# Altium PCB QuadroRiser.PcbDoc (part 1 of 3)
Units mil, origin at the board's own origin, x right, y up, seen from the top; angles counter-clockwise.
Board outline 3704.72 x 1651.89 mil, 4 copper layers (Top Layer, Power Plane, Ground Plane, Bottom Layer), stack 61.634 mil thick; 2 components, 91 nets, 330 pads, 57 vias.
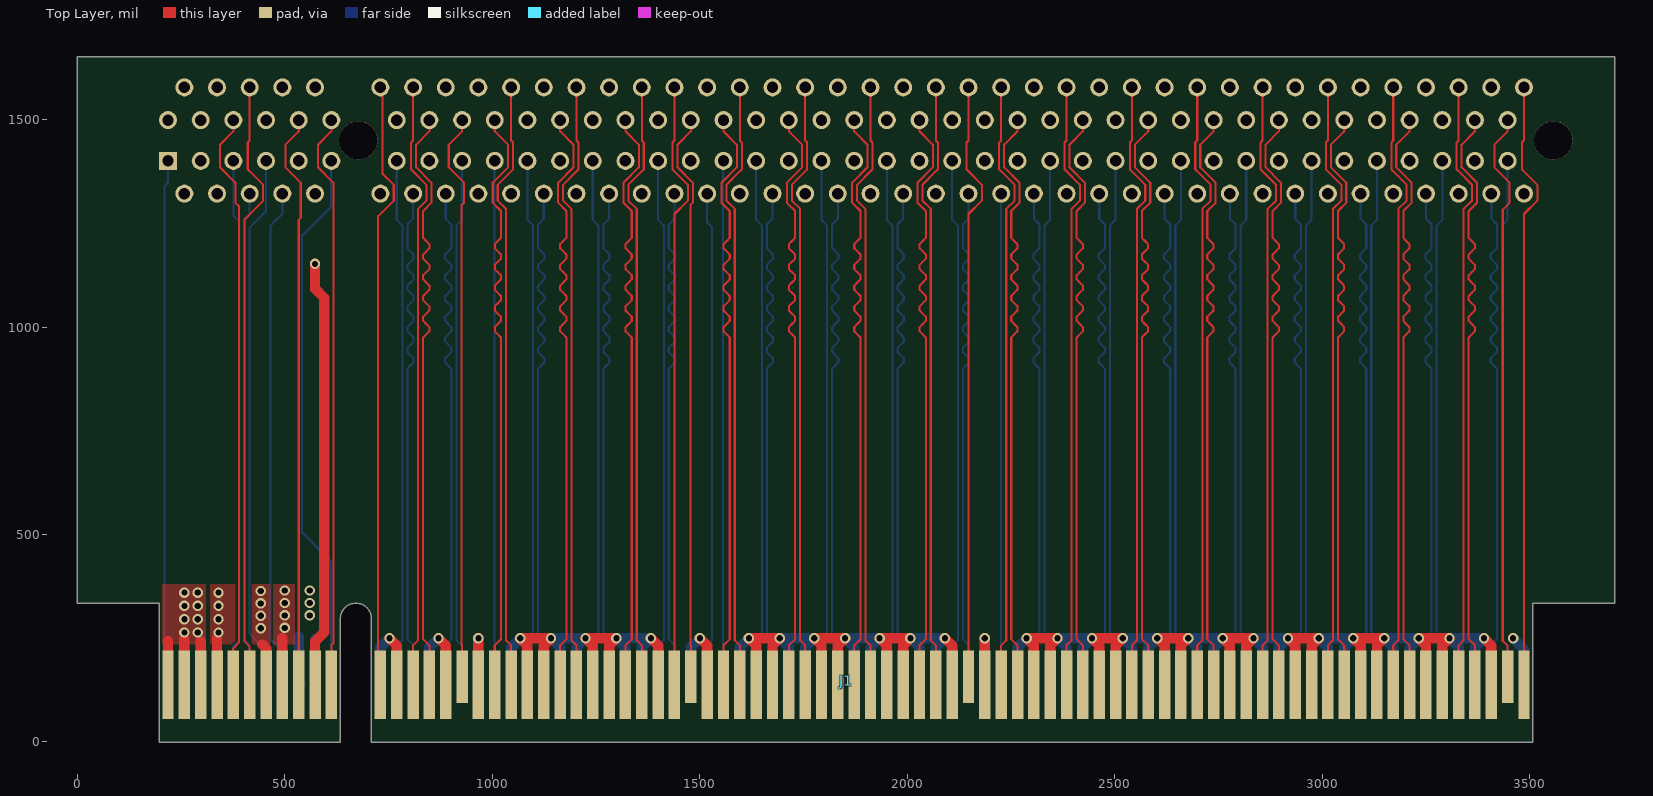
[diagram p0: Top Layer view]
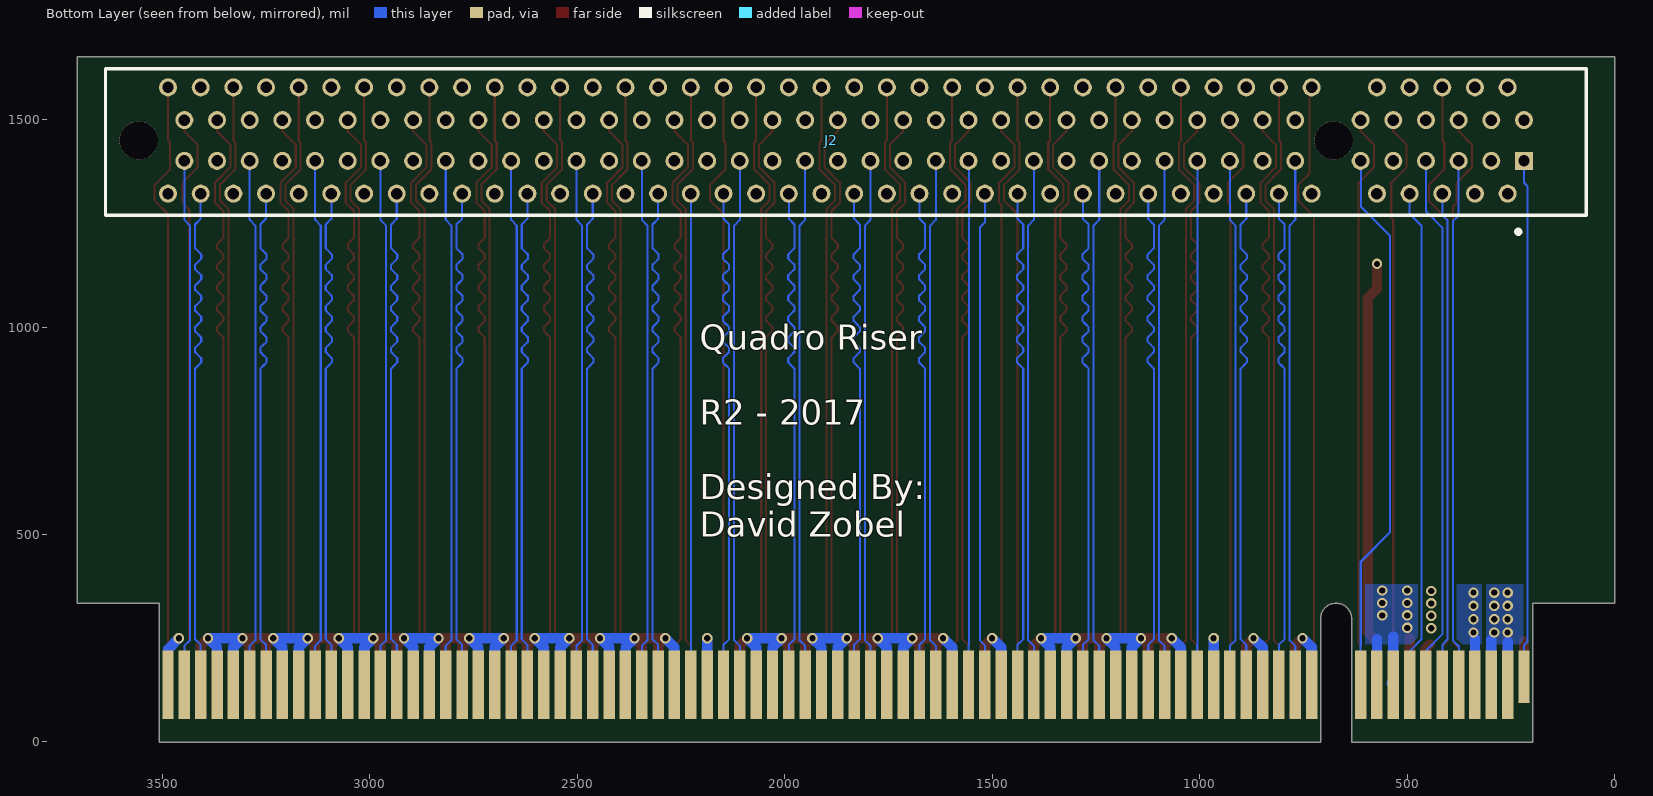
[diagram p1: Bottom Layer view, seen from below]
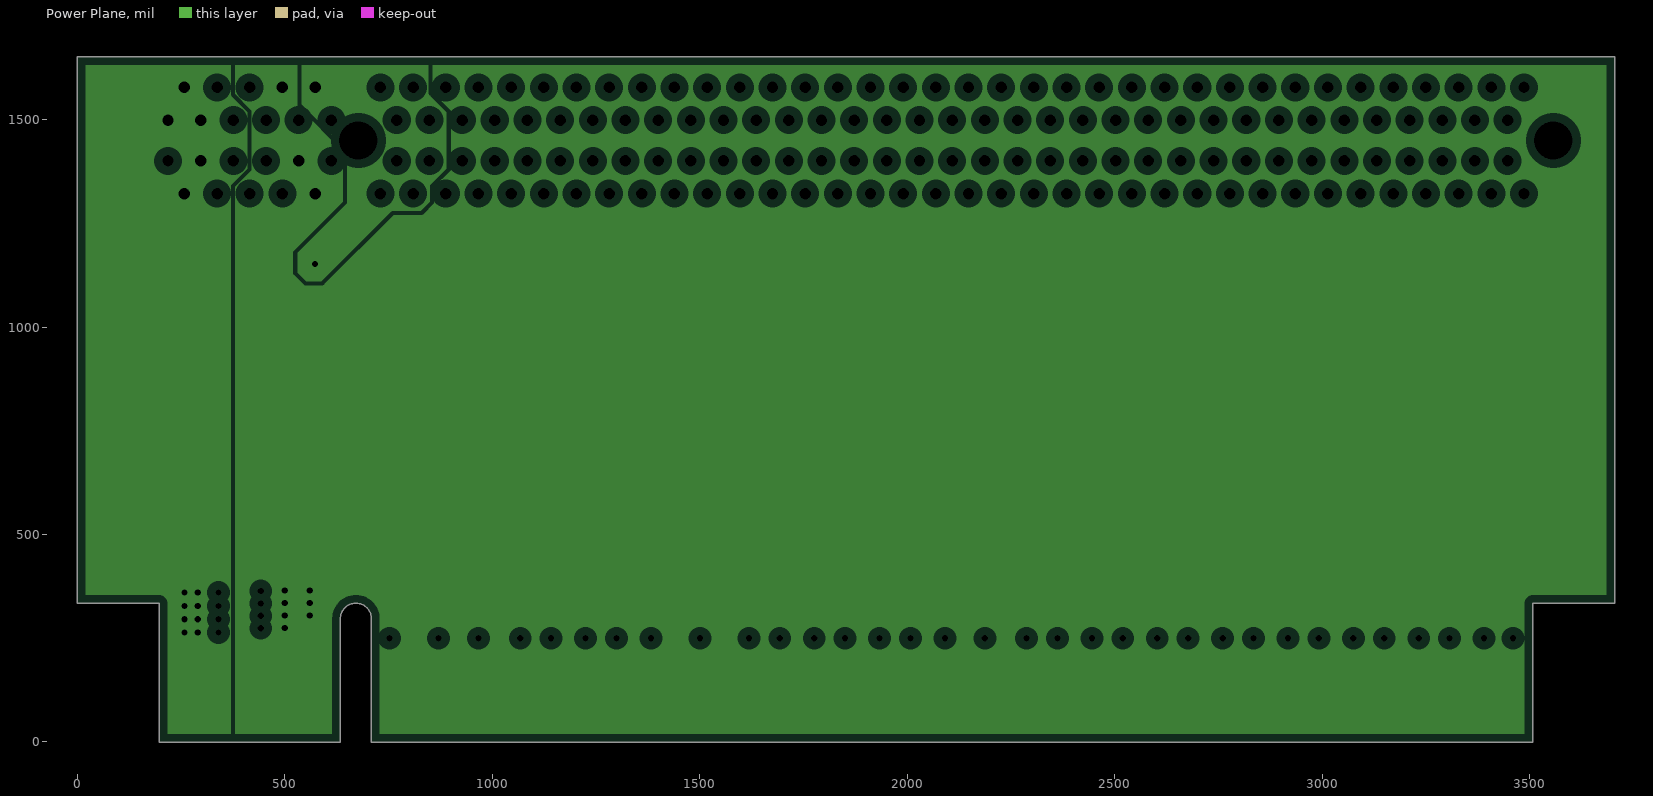
[diagram p2: Power Plane, clearances drawn from the general rule]
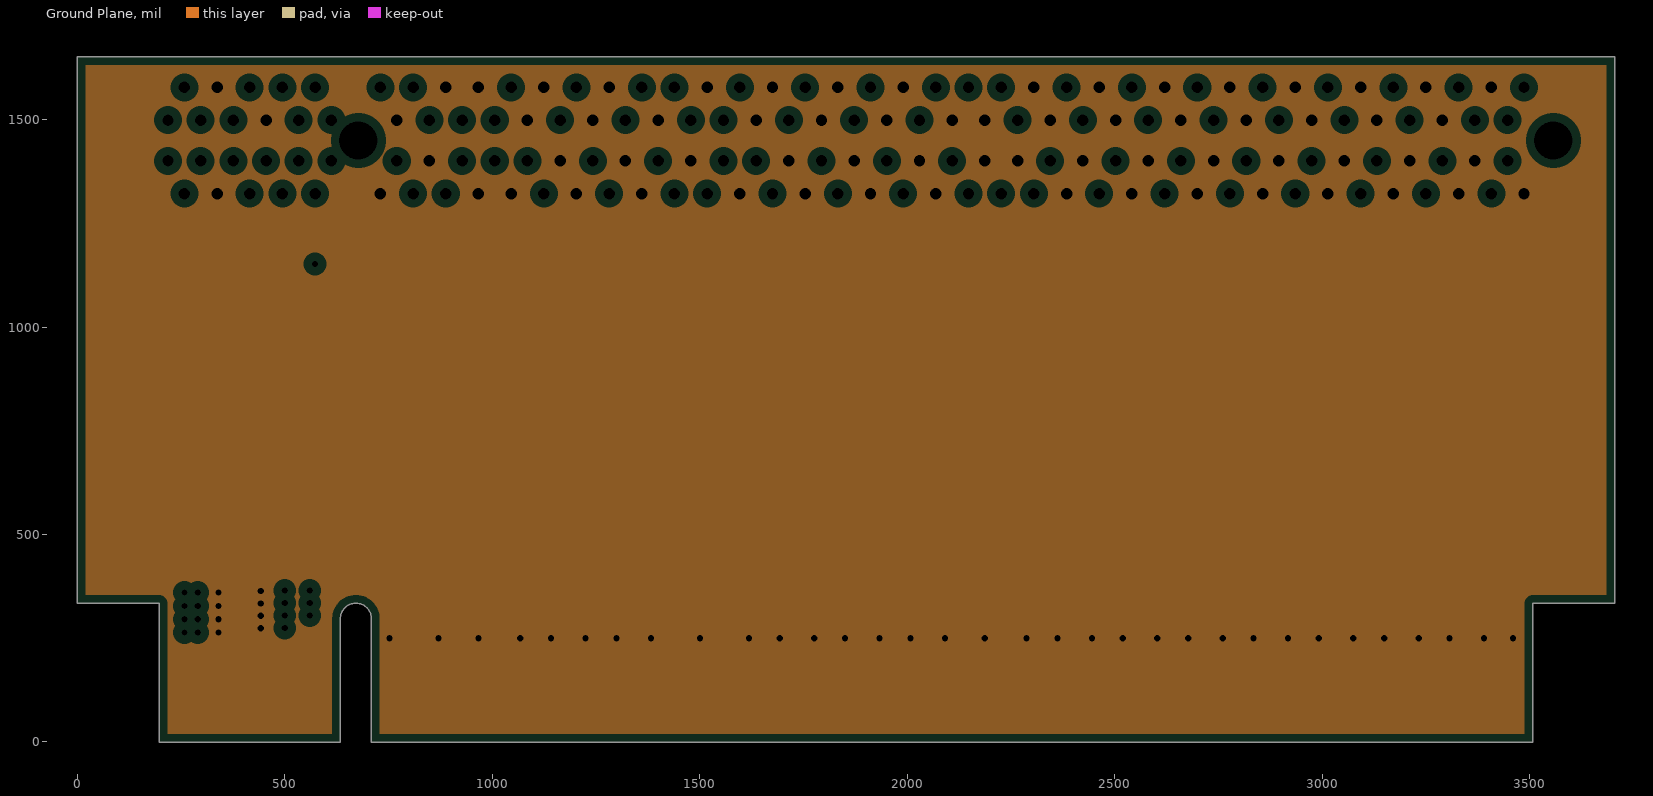
[diagram p3: Ground Plane, clearances drawn from the general rule]

## Layer stack, top to bottom
Top Solder: solder mask 0.4, Solder Resist, Dk 3.5
Top Layer: signal copper 1.4
Dielectric 1: core 21, FR-4, Dk 4.2
Power Plane: plane copper 1.417, net (Multiple Nets)
Dielectric 3: prepreg 14, Dk 4.2
Ground Plane: plane copper 1.417, net GND
Dielectric 2: core 21, Dk 4.2
Bottom Layer: signal copper 1.4
Bottom Solder: solder mask 0.4, Solder Resist, Dk 3.5

## Board outline
196.85,-0.16 196.85,334.49 0,334.49 0,1651.73 3704.72,1651.73 3704.72,334.49 3507.87,334.49 3507.87,-0.16 708.66,-0.16 708.66,297.09 ccw(c671.26,297.09) 633.86,297.09 633.86,-0.16

## Design rules (kind name [scope] priority, off if disabled: settings)
Clearance [All] p1: gap=7
DiffPairsRouting [All] p1: maxlimit=20 minlimit=7 mostfreqgap=7 toplayer_minwidth=5 toplayer_maxwidth=15 toplayer_prefwidth=5 bottomlayer_minwidth=5 bottomlayer_maxwidth=15 bottomlayer_prefwidth=5 maxuncoupledlength=500
PlaneClearance [All] p1: clearance=20
PlaneConnect "Stitched Via Connect" [(InNamedUnion('Via Stitchings') OR InNamedUnion('Via Stitchings 1') OR InNamedUnion('Via Stitchings 2') OR InNamedUnion('Via Stitchings 3') OR InNamedUnion('Via Stitchings 4') OR InNamedUnion('Via Stitchings 5'))] p1: planeconnectstyle=Relief reliefexpansion=5 reliefentries=4 reliefconductorwidth=5 reliefairgap=5
PlaneConnect [All] p2: planeconnectstyle=Relief reliefexpansion=10 reliefentries=4 reliefconductorwidth=10 reliefairgap=10
PolygonConnect [All] p1: connectstyle=Relief reliefconductorwidth=10 reliefentries=4 polygonreliefangle="90 Angle" airgapwidth=10
RoutingVias [All] p1: holewidth=10 width=20 viastyle="Through Hole" minholewidth=10 minwidth=20 maxholewidth=28 maxwidth=50
SolderMaskExpansion SolderMaskExpansion_1 [IsVia] p1: expansion=-250
SolderMaskExpansion [All] p2: expansion=4
Width [All] p1: maxlimit=30 minlimit=5 preferedwidth=5
27 further rules are at their usual default settings.

## Classes and differential pairs
differential pair REFCLK: +REFCLK_P -REFCLK_N
differential pair L15TX: +L15TX_P -L15TX_N
differential pair L15RX: +L15RX_P -L15RX_N
differential pair L14TX: +L14TX_P -L14TX_N
differential pair L14RX: +L14RX_P -L14RX_N
differential pair L13TX: +L13TX_P -L13TX_N
differential pair L13RX: +L13RX_P -L13RX_N
differential pair L12TX: +L12TX_P -L12TX_N
differential pair L12RX: +L12RX_P -L12RX_N
differential pair L11TX: +L11TX_P -L11TX_N
differential pair L11RX: +L11RX_P -L11RX_N
differential pair L10TX: +L10TX_P -L10TX_N
differential pair L10RX: +L10RX_P -L10RX_N
differential pair L9TX: +L9TX_P -L9TX_N
differential pair L9RX: +L9RX_P -L9RX_N
differential pair L8TX: +L8TX_P -L8TX_N
differential pair L8RX: +L8RX_P -L8RX_N
differential pair L7TX: +L7TX_P -L7TX_N
differential pair L7RX: +L7RX_P -L7RX_N
differential pair L6TX: +L6TX_P -L6TX_N
differential pair L6RX: +L6RX_P -L6RX_N
differential pair L5TX: +L5TX_P -L5TX_N
differential pair L5RX: +L5RX_P -L5RX_N
differential pair L4TX: +L4TX_P -L4TX_N
differential pair L4RX: +L4RX_P -L4RX_N
differential pair L3TX: +L3TX_P -L3TX_N
differential pair L3RX: +L3RX_P -L3RX_N
differential pair L2TX: +L2TX_P -L2TX_N
differential pair L2RX: +L2RX_P -L2RX_N
differential pair L1TX: +L1TX_P -L1TX_N
differential pair L1RX: +L1RX_P -L1RX_N
differential pair L0TX: +L0TX_P -L0TX_N
differential pair L0RX: +L0RX_P -L0RX_N

## Components (designator, comment, footprint, x,y, rotation, side; value= is the part's Value field where it differs from the comment)
J1 "PCIE-164-EDGE" PCIE-164-EDGE 0,334.49 r0 top
J2 "PCIE-164-CONN" PCIe-164-CONN 677.16,1449.57 r0 bottom

## Footprints (in the part's own frame and the unit in brackets; to place one, negate y for a bottom-side part, rotate by r counter-clockwise, add the part's x,y. Pads: shape width x height; smd on the part's side, far side on the other; paste and mask are expansions set on the pad)
PCIe-164-CONN [mm] "PCIe x16 164 Position Board Connector"
  rect 1.1x1.1 hole 0.7: 1(-11.65,1.25)
  round 1.1 hole 0.7: 2(-10.65,3.25) 3(-9.65,1.25) 4(-8.65,3.25) 5(-7.65,1.25) 6(-6.65,3.25) 7(-5.65,1.25) 8(-4.65,3.25) 9(-3.65,1.25) 10(-2.65,3.25) 11(-1.65,1.25) 12(1.35,3.25) 13(2.35,1.25) 14(3.35,3.25) 15(4.35,1.25) 16(5.35,3.25) 17(6.35,1.25) 18(7.35,3.25) 19(8.35,1.25) 20(9.35,3.25) 21(10.35,1.25) 22(11.35,3.25) 23(12.35,1.25) 24(13.35,3.25) 25(14.35,1.25) 26(15.35,3.25) 27(16.35,1.25) 28(17.35,3.25) 29(18.35,1.25) 30(19.35,3.25) 31(20.35,1.25) 32(21.35,3.25) 33(22.35,1.25) 34(23.35,3.25) 35(24.35,1.25) 36(25.35,3.25) 37(26.35,1.25) 38(27.35,3.25) 39(28.35,1.25) 40(29.35,3.25) 41(30.35,1.25) 42(31.35,3.25) 43(32.35,1.25) 44(33.35,3.25) 45(34.35,1.25) 46(35.35,3.25) 47(36.35,1.25) 48(37.35,3.25) 49(38.35,1.25) 50(39.35,3.25) 51(40.35,1.25) 52(41.35,3.25) 53(42.35,1.25) 54(43.35,3.25) 55(44.35,1.25) 56(45.35,3.25) 57(46.35,1.25) 58(47.35,3.25) 59(48.35,1.25) 60(49.35,3.25) 61(50.35,1.25) 62(51.35,3.25) 63(52.35,1.25) 64(53.35,3.25) 65(54.35,1.25) 66(55.35,3.25) 67(56.35,1.25) 68(57.35,3.25) 69(58.35,1.25) 70(59.35,3.25) 71(60.35,1.25) 72(61.35,3.25) 73(62.35,1.25) 74(63.35,3.25) 75(64.35,1.25) 76(65.35,3.25) 77(66.35,1.25) 78(67.35,3.25) 79(68.35,1.25) 80(69.35,3.25) 81(70.35,1.25) 82(71.35,3.25) 83(-11.65,-1.25) 84(-10.65,-3.25) 85(-9.65,-1.25) 86(-8.65,-3.25) 87(-7.65,-1.25) 88(-6.65,-3.25) 89(-5.65,-1.25) 90(-4.65,-3.25) 91(-3.65,-1.25) 92(-2.65,-3.25) 93(-1.65,-1.25) 94(1.35,-3.25) 95(2.35,-1.25) 96(3.35,-3.25) 97(4.35,-1.25) 98(5.35,-3.25) 99(6.35,-1.25) 100(7.35,-3.25) 101(8.35,-1.25) 102(9.35,-3.25) 103(10.35,-1.25) 104(11.35,-3.25) 105(12.35,-1.25) 106(13.35,-3.25) 107(14.35,-1.25) 108(15.35,-3.25) 109(16.35,-1.25) 110(17.35,-3.25) 111(18.35,-1.25) 112(19.35,-3.25) 113(20.35,-1.25) 114(21.35,-3.25) 115(22.35,-1.25) 116(23.35,-3.25) 117(24.35,-1.25) 118(25.35,-3.25) 119(26.35,-1.25) 120(27.35,-3.25) 121(28.35,-1.25) 122(29.35,-3.25) 123(30.35,-1.25) 124(31.35,-3.25) 125(32.35,-1.25) 126(33.35,-3.25) 127(34.35,-1.25) 128(35.35,-3.25) 129(36.35,-1.25) 130(37.35,-3.25) 131(38.35,-1.25) 132(39.35,-3.25) 133(40.35,-1.25) 134(41.35,-3.25) 135(42.35,-1.25) 136(43.35,-3.25) 137(44.35,-1.25) 138(45.35,-3.25) 139(46.35,-1.25) 140(47.35,-3.25) 141(48.35,-1.25) 142(49.35,-3.25) 143(50.35,-1.25) 144(51.35,-3.25) 145(52.35,-1.25) 146(53.35,-3.25) 147(54.35,-1.25) 148(55.35,-3.25) 149(56.35,-1.25) 150(57.35,-3.25) 151(58.35,-1.25) 152(59.35,-3.25) 153(60.35,-1.25) 154(61.35,-3.25) 155(62.35,-1.25) 156(63.35,-3.25) 157(64.35,-1.25) 158(65.35,-3.25) 159(66.35,-1.25) 160(67.35,-3.25) 161(68.35,-1.25) 162(69.35,-3.25) 163(70.35,-1.25) 164(71.35,-3.25)
  round 2.35 hole 2.35 unplated: ""(0,0) ""(73.15,0)
  silkscreen extent -15.47,-4.39 75.18,5.71, body extent -14.61,-5.14 74.39,3.71, height 10.06
PCIE-164-EDGE [mm] "PCIe x16 Edge Connector Pads, 164 position"
  rect 0.7x3.2 smd far side mask+0.102: 1(5.55,-4.5)
  rect 0.7x4.2 smd far side: 2(6.55,-5) 3(7.55,-5) 4(8.55,-5) 5(9.55,-5) 6(10.55,-5) 7(11.55,-5) 8(12.55,-5) 9(13.55,-5) 10(14.55,-5) 11(15.55,-5) 12(18.55,-5) 13(19.55,-5) 14(20.55,-5) 15(21.55,-5) 16(22.55,-5) 17(23.55,-5) 18(24.55,-5) 19(25.55,-5) 20(26.55,-5) 21(27.55,-5) 22(28.55,-5) 23(29.55,-5) 24(30.55,-5) 25(31.55,-5) 26(32.55,-5) 27(33.55,-5) 28(34.55,-5) 29(35.55,-5) 30(36.55,-5) 31(37.55,-5) 32(38.55,-5) 33(39.55,-5) 34(40.55,-5) 35(41.55,-5) 36(42.55,-5) 37(43.55,-5) 38(44.55,-5) 39(45.55,-5) 40(46.55,-5) 41(47.55,-5) 42(48.55,-5) 43(49.55,-5) 44(50.55,-5) 45(51.55,-5) 46(52.55,-5) 47(53.55,-5) 48(54.55,-5) 49(55.55,-5) 50(56.55,-5) 51(57.55,-5) 52(58.55,-5) 53(59.55,-5) 54(60.55,-5) 55(61.55,-5) 56(62.55,-5) 57(63.55,-5) 58(64.55,-5) 59(65.55,-5) 60(66.55,-5) 61(67.55,-5) 62(68.55,-5) 63(69.55,-5) 64(70.55,-5) 65(71.55,-5) 66(72.55,-5) 67(73.55,-5) 68(74.55,-5) 69(75.55,-5) 70(76.55,-5) 71(77.55,-5) 72(78.55,-5) 73(79.55,-5) 74(80.55,-5) 75(81.55,-5) 76(82.55,-5) 77(83.55,-5) 78(84.55,-5) 79(85.55,-5) 80(86.55,-5) 81(87.55,-5) 82(88.55,-5)
  rect 0.7x4.2 smd: 83(5.55,-5) 84(6.55,-5) 85(7.55,-5) 86(8.55,-5) 87(9.55,-5) 88(10.55,-5) 89(11.55,-5) 90(12.55,-5) 91(13.55,-5) 92(14.55,-5) 93(15.55,-5) 94(18.55,-5) 95(19.55,-5) 96(20.55,-5) 97(21.55,-5) 98(22.55,-5) 100(24.55,-5) 101(25.55,-5) 102(26.55,-5) 103(27.55,-5) 104(28.55,-5) 105(29.55,-5) 106(30.55,-5) 107(31.55,-5) 108(32.55,-5) 109(33.55,-5) 110(34.55,-5) 111(35.55,-5) 112(36.55,-5) 114(38.55,-5) 115(39.55,-5) 116(40.55,-5) 117(41.55,-5) 118(42.55,-5) 119(43.55,-5) 120(44.55,-5) 121(45.55,-5) 122(46.55,-5) 123(47.55,-5) 124(48.55,-5) 125(49.55,-5) 126(50.55,-5) 127(51.55,-5) 128(52.55,-5) 129(53.55,-5) 131(55.55,-5) 132(56.55,-5) 133(57.55,-5) 134(58.55,-5) 135(59.55,-5) 136(60.55,-5) 137(61.55,-5) 138(62.55,-5) 139(63.55,-5) 140(64.55,-5) 141(65.55,-5) 142(66.55,-5) 143(67.55,-5) 144(68.55,-5) 145(69.55,-5) 146(70.55,-5) 147(71.55,-5) 148(72.55,-5) 149(73.55,-5) 150(74.55,-5) 151(75.55,-5) 152(76.55,-5) 153(77.55,-5) 154(78.55,-5) 155(79.55,-5) 156(80.55,-5) 157(81.55,-5) 158(82.55,-5) 159(83.55,-5) 160(84.55,-5) 161(85.55,-5) 162(86.55,-5) 164(88.55,-5)
  rect 0.7x3.2 smd mask+0.102: 99(23.55,-4.5) 113(37.55,-4.5) 130(54.55,-4.5) 163(87.55,-4.5)

## Part data
J1: "PCIe x16 Edge Connector pad layout"
J2: "CONN PCI EXP FEMALE 164POS 0.039"

## Via types
v1: diameter 25, hole 15, Top Layer to Bottom Layer, 57 vias

## Nets (pads, with @x,y where several pads share a name; then routed paths per layer and width w, separated by ;. In a path a pad name is that pad's centre, name@x,y a point inside that pad or via, vN(x,y) a via of type N, cw(c..) or ccw(c..) an arc to the next point about the centre after c; other vN are vias at no path point)
3V3: J1.9 J1.10 J1.90 J2.9 J2.10 J2.90 | length 344.4
  Top Layer w25: J1.90@494.09,138.15 494.09,250
  Bottom Layer w5: 533.46,253.46 535,255
  Bottom Layer w25: 533.46,253.46 J1.9@533.46,137.64 J1.9@537,141.17 ; J1.10@572.83,137.64 572.83,247.17
  other v1: 500,275 500,305 560,305 500,335 560,335 500,365 560,365
3V3A: J1.92 J2.92 | length 1032.8
  Top Layer w25: J1.92@572.83,137.64 572.83,242.83 595,265 595,1070 572.83,1092.17 v1(572.83,1152.09)
12V: J1.2 J1.3 J1.83 J1.84 J1.85 J2.2 J2.3 J2.83 J2.84 J2.85 | length 530.4
  Top Layer w25: J1.83@218.5,137.64 218.5,243.5 ; J1.84@257.87,137.64 257.87,247.87 ; J1.85@297.24,137.64 297.24,242.24
  Bottom Layer w25: J1.2@257.87,137.64 257.87,240 ; J1.3@297.24,137.64 297.24,245
  other v1: 258,264 290,264 258,296 290,296 258,328 290,328 258,360 290,360
CLKREQ#: J1.94 J2.94 | length 1468.4
  Top Layer w5: J1.94@730.31,138.15 725,143.46 725,1267.21 762.52,1304.72 762.52,1342.75 735.43,1369.84 ; 735.31,1369.72 J2.94@735.31,1577.52
GND: J1.4 J1.12 J1.15 J1.18 J1.20 J1.23 J1.24 J1.27 J1.28 J1.31 J1.34 J1.37 J1.38 J1.41 J1.42 J1.45 J1.46 J1.49 J1.51 J1.54 J1.55 J1.58 J1.59 J1.62 J1.63 J1.66 J1.67 J1.70 J1.71 J1.74 J1.75 J1.78 J1.79 J1.82 J1.86 J1.89 J1.95 J1.98 J1.100 J1.103 J1.104 J1.107 J1.108 J1.111 J1.114 J1.117 J1.118 J1.121 J1.122 J1.125 J1.126 J1.129 J1.131 J1.134 J1.135 J1.138 J1.139 J1.142 J1.143 J1.146 J1.147 J1.150 J1.151 J1.154 J1.155 J1.158 J1.159 J1.162 J2.4 J2.12 J2.15 J2.18 J2.20 J2.23 J2.24 J2.27 J2.28 J2.31 J2.34 J2.37 J2.38 J2.41 J2.42 J2.45 J2.46 J2.49 J2.51 J2.54 J2.55 J2.58 J2.59 J2.62 J2.63 J2.66 J2.67 J2.70 J2.71 J2.74 J2.75 J2.78 J2.79 J2.82 J2.86 J2.89 J2.95 J2.98 J2.100 J2.103 J2.104 J2.107 J2.108 J2.111 J2.114 J2.117 J2.118 J2.121 J2.122 J2.125 J2.126 J2.129 J2.131 J2.134 J2.135 J2.138 J2.139 J2.142 J2.143 J2.146 J2.147 J2.150 J2.151 J2.154 J2.155 J2.158 J2.159 J2.162 | length 10015.9
  Top Layer w25: J1.86@336.61,137.64 336.61,250 ; 445,235 454.96,224.99 J1.89@454.72,137.64 ; v1(752.2,250) 769.69,232.52 J1.95@769.69,137.64 ; v1(870.31,250) 887.8,232.52 J1.98@887.8,137.64 ; J1.100@966.54,138.15 v1(966.54,250) ; J1.103@1084.65,137.64 1084.65,232.52 v1(1067.17,250) v1(1141.5,250) 1124.02,232.52 J1.104@1124.02,137.64 ; J1.107@1242.13,137.64 1242.13,232.52 v1(1224.65,250) v1(1298.98,250) 1281.5,232.52 J1.108@1281.5,137.64 ; v1(1382.13,250) 1399.61,232.52 J1.111@1399.61,137.64 ; v1(1500.24,250) 1517.72,232.52 J1.114@1517.72,137.64 ; J1.117@1635.83,137.64 1635.83,232.52 v1(1618.35,250) v1(1692.68,250) 1675.2,232.52 J1.118@1675.2,137.64 ; J1.121@1793.31,137.64 1793.31,232.52 v1(1775.83,250) v1(1850.16,250) 1832.68,232.52 J1.122@1832.68,137.64 ; J1.125@1950.79,137.64 1950.79,232.52 v1(1933.31,250) v1(2007.64,250) 1990.16,232.52 J1.126@1990.16,137.64 ; v1(2090.79,250) 2108.27,232.52 J1.129@2108.27,137.64 ; J1.131@2187.01,138.15 v1(2187.01,250) ; J1.134@2305.12,137.64 2305.12,232.52 v1(2287.64,250) v1(2361.97,250) 2344.49,232.52 J1.135@2344.49,137.64 ; J1.138@2462.6,137.64 2462.6,232.52 v1(2445.12,250) v1(2519.45,250) 2501.97,232.52 J1.139@2501.97,137.64 ; J1.142@2620.08,137.64 2620.08,232.52 v1(2602.6,250) v1(2676.93,250) 2659.45,232.52 J1.143@2659.45,137.64 ; J1.146@2777.56,137.64 2777.56,232.52 v1(2760.08,250) v1(2834.41,250) 2816.93,232.52 J1.147@2816.93,137.64 ; J1.150@2935.04,137.64 2935.04,232.52 v1(2917.56,250) v1(2991.89,250) 2974.41,232.52 J1.151@2974.41,137.64 ; J1.154@3092.52,137.64 3092.52,232.52 v1(3075.04,250) v1(3149.37,250) 3131.89,232.52 J1.155@3131.89,137.64 ; J1.158@3250,137.64 3250,232.52 v1(3232.52,250) v1(3306.85,250) 3289.37,232.52 J1.159@3289.37,137.64 ; v1(3390,250) 3407.48,232.52 J1.162@3407.48,137.64
  Bottom Layer w25: J1.4@336.61,137.64 336.61,248.39 ; J1.12@730.31,137.64 730.31,228.11 v1(752.2,250) ; J1.15@848.43,137.64 848.43,228.11 v1(870.31,250) ; J1.18@966.54,138.15 v1(966.54,250) ; J1.20@1045.28,137.64 1045.28,228.11 v1(1067.17,250) ; J1.23@1163.39,137.64 1163.39,228.11 v1(1141.5,250) v1(1224.65,250) 1202.76,228.11 J1.24@1202.76,137.64 ; J1.27@1320.87,137.64 1320.87,228.11 v1(1298.98,250) v1(1382.13,250) 1360.24,228.11 J1.28@1360.24,137.64 ; J1.31@1478.35,137.64 1478.35,228.11 v1(1500.24,250) ; J1.34@1596.46,137.64 1596.46,228.11 v1(1618.35,250) ; J1.37@1714.57,137.64 1714.57,228.11 v1(1692.68,250) v1(1775.83,250) 1753.94,228.11 J1.38@1753.94,137.64 ; J1.41@1872.05,137.64 1872.05,228.11 v1(1850.16,250) v1(1933.31,250) 1911.42,228.11 J1.42@1911.42,137.64 ; J1.45@2029.53,137.64 2029.53,228.11 v1(2007.64,250) v1(2090.79,250) 2068.9,228.11 J1.46@2068.9,137.64 ; J1.49@2187.01,138.15 v1(2187.01,250) ; J1.51@2265.75,137.64 2265.75,228.11 v1(2287.64,250) ; J1.54@2383.86,137.64 2383.86,228.11 v1(2361.97,250) v1(2445.12,250) 2423.23,228.11 J1.55@2423.23,137.64 ; J1.58@2541.34,137.64 2541.34,228.11 v1(2519.45,250) v1(2602.6,250) 2580.71,228.11 J1.59@2580.71,137.64 ; J1.62@2698.82,137.64 2698.82,228.11 v1(2676.93,250) v1(2760.08,250) 2738.19,228.11 J1.63@2738.19,137.64 ; J1.66@2856.3,137.64 2856.3,228.11 v1(2834.41,250) v1(2917.56,250) 2895.67,228.11 J1.67@2895.67,137.64 ; J1.70@3013.78,137.64 3013.78,228.11 v1(2991.89,250) v1(3075.04,250) 3053.15,228.11 J1.71@3053.15,137.64 ; J1.74@3171.26,137.64 3171.26,228.11 v1(3149.37,250) v1(3232.52,250) 3210.63,228.11 J1.75@3210.63,137.64 ; J1.78@3328.74,137.64 3328.74,228.11 v1(3306.85,250) v1(3390,250) 3368.11,228.11 J1.79@3368.11,137.64 ; v1(3460,250) 3486.22,223.78 J1.82@3486.22,137.64
  other v1: 340,264 442,274 340,296 442,304 340,328 442,334 340,360 442,364
L0RX_N: J1.17 J2.17 | length 1278.8
  Bottom Layer w5: 913.48,882.22 913.48,899.72 913.48,914.72 913.48,924.72 913.48,939.72 913.48,949.72 913.48,964.72 913.48,974.72 913.48,989.72 913.48,999.72 913.48,1014.72 913.48,1024.72 913.48,1039.72 913.48,1049.72 913.48,1064.72 913.48,1074.72 913.48,1089.72 913.48,1099.72 913.48,1114.72 913.48,1124.72 913.48,1139.72 913.48,1149.72 913.48,1164.72 913.48,1174.72 913.48,1189.72 913.48,1207.22 913.48,1219.72 913.48,1244.46 927.16,1258.15 J2.17@927.16,1400.35 ; 913.48,887.5 913.48,245.26 927.16,231.57 J1.17@927.16,138.15
L0RX_P: J1.16 J2.16 | length 1683.9
  Bottom Layer w5: J1.16@887.79,138.15 887.79,234.05 901.48,247.74 901.48,879.72 ; J2.16@887.79,1321.61 887.79,1260.67 901.48,1246.98 901.48,1219.72 ; 886.48,914.72 893.98,907.22 ; 886.48,914.72 886.48,924.72 ; 886.48,914.72 893.98,907.22 ; 886.48,914.72 886.48,924.72 ; 886.48,924.72 893.98,932.22 ; 886.48,924.72 893.98,932.22 ; 886.48,964.72 893.98,957.22 ; 886.48,964.72 886.48,974.72 ; 886.48,964.72 893.98,957.22 ; 886.48,964.72 886.48,974.72 ; 886.48,974.72 893.98,982.22 ; 886.48,974.72 893.98,982.22 ; 886.48,1014.72 893.98,1007.22 ; 886.48,1014.72 886.48,1024.72 ; 886.48,1014.72 893.98,1007.22 ; 886.48,1014.72 886.48,1024.72 ; 886.48,1024.72 893.98,1032.22 ; 886.48,1024.72 893.98,1032.22 ; 886.48,1064.72 893.98,1057.22 ; 886.48,1064.72 886.48,1074.72 ; 886.48,1064.72 893.98,1057.22 ; 886.48,1064.72 886.48,1074.72 ; 886.48,1074.72 893.98,1082.22 ; 886.48,1074.72 893.98,1082.22 ; 886.48,1114.72 893.98,1107.22 ; 886.48,1114.72 886.48,1124.72 ; 886.48,1114.72 893.98,1107.22 ; 886.48,1114.72 886.48,1124.72 ; 886.48,1124.72 893.98,1132.22 ; 886.48,1124.72 893.98,1132.22 ; 886.48,1164.72 893.98,1157.22 ; 886.48,1164.72 886.48,1174.72 ; 886.48,1164.72 893.98,1157.22 ; 886.48,1164.72 886.48,1174.72 ; 886.48,1174.72 893.98,1182.22 ; 886.48,1174.72 893.98,1182.22 ; 893.98,907.22 901.48,899.72 ; 893.98,907.22 901.48,899.72 ; 893.98,932.22 901.48,939.72 ; 893.98,932.22 901.48,939.72 ; 893.98,957.22 901.48,949.72 ; 893.98,957.22 901.48,949.72 ; 893.98,982.22 901.48,989.72 ; 893.98,982.22 901.48,989.72 ; 893.98,1007.22 901.48,999.72 ; 893.98,1007.22 901.48,999.72 ; 893.98,1032.22 901.48,1039.72 ; 893.98,1032.22 901.48,1039.72 ; 893.98,1057.22 901.48,1049.72 ; 893.98,1057.22 901.48,1049.72 ; 893.98,1082.22 901.48,1089.72 ; 893.98,1082.22 901.48,1089.72 ; 893.98,1107.22 901.48,1099.72 ; 893.98,1107.22 901.48,1099.72 ; 893.98,1132.22 901.48,1139.72 ; 893.98,1132.22 901.48,1139.72 ; 893.98,1157.22 901.48,1149.72 ; 893.98,1157.22 901.48,1149.72 ; 893.98,1182.22 901.48,1189.72 ; 893.98,1182.22 901.48,1189.72 ; 901.48,879.72 901.48,882.22 ; 901.48,879.72 901.48,882.22 ; 901.48,882.22 901.48,899.72 ; 901.48,882.22 901.48,899.72 ; 901.48,939.72 901.48,949.72 ; 901.48,939.72 901.48,949.72 ; 901.48,989.72 901.48,999.72 ; 901.48,989.72 901.48,999.72 ; 901.48,1039.72 901.48,1049.72 ; 901.48,1039.72 901.48,1049.72 ; 901.48,1089.72 901.48,1099.72 ; 901.48,1089.72 901.48,1099.72 ; 901.48,1139.72 901.48,1149.72 ; 901.48,1139.72 901.48,1149.72 ; 901.48,1189.72 901.48,1207.22 ; 901.48,1189.72 901.48,1207.22 ; 901.48,1207.22 901.48,1219.72 ; 901.48,1207.22 901.48,1219.72
L0TX_N: J1.97 J2.97 | length 1813.1
  Top Layer w5: J1.97@848.42,138.15 848.42,232.83 833.26,248 833.26,934.72 ; J2.97@848.42,1498.78 848.42,1471.89 816.26,1439.72 816.26,1384.72 853.26,1347.72 853.26,1299.75 833.26,1279.75 833.26,1219.72 ; 833.26,934.72 833.26,957.22 ; 833.26,934.72 833.26,957.22 ; 833.26,957.22 833.26,974.72 ; 833.26,957.22 833.26,974.72 ; 833.26,974.72 840.76,982.22 ; 833.26,974.72 840.76,982.22 ; 833.26,1014.72 840.76,1007.22 ; 833.26,1014.72 833.26,1024.72 ; 833.26,1014.72 840.76,1007.22 ; 833.26,1014.72 833.26,1024.72 ; 833.26,1024.72 840.76,1032.22 ; 833.26,1024.72 840.76,1032.22 ; 833.26,1064.72 840.76,1057.22 ; 833.26,1064.72 833.26,1074.72 ; 833.26,1064.72 840.76,1057.22 ; 833.26,1064.72 833.26,1074.72 ; 833.26,1074.72 840.76,1082.22 ; 833.26,1074.72 840.76,1082.22 ; 833.26,1114.72 840.76,1107.22 ; 833.26,1114.72 833.26,1124.72 ; 833.26,1114.72 840.76,1107.22 ; 833.26,1114.72 833.26,1124.72 ; 833.26,1124.72 840.76,1132.22 ; 833.26,1124.72 840.76,1132.22 ; 833.26,1164.72 840.76,1157.22 ; 833.26,1164.72 833.26,1174.72 ; 833.26,1164.72 840.76,1157.22 ; 833.26,1164.72 833.26,1174.72 ; 833.26,1174.72 840.76,1182.22 ; 833.26,1174.72 840.76,1182.22 ; 833.26,1214.72 833.26,1219.72 ; 833.26,1214.72 840.76,1207.22 ; 833.26,1214.72 833.26,1219.72 ; 833.26,1214.72 840.76,1207.22 ; 840.76,982.22 848.26,989.72 ; 840.76,982.22 848.26,989.72 ; 840.76,1007.22 848.26,999.72 ; 840.76,1007.22 848.26,999.72 ; 840.76,1032.22 848.26,1039.72 ; 840.76,1032.22 848.26,1039.72 ; 840.76,1057.22 848.26,1049.72 ; 840.76,1057.22 848.26,1049.72 ; 840.76,1082.22 848.26,1089.72 ; 840.76,1082.22 848.26,1089.72 ; 840.76,1107.22 848.26,1099.72 ; 840.76,1107.22 848.26,1099.72 ; 840.76,1132.22 848.26,1139.72 ; 840.76,1132.22 848.26,1139.72 ; 840.76,1157.22 848.26,1149.72 ; 840.76,1157.22 848.26,1149.72 ; 840.76,1182.22 848.26,1189.72 ; 840.76,1182.22 848.26,1189.72 ; 840.76,1207.22 848.26,1199.72 ; 840.76,1207.22 848.26,1199.72 ; 848.26,989.72 848.26,999.72 ; 848.26,989.72 848.26,999.72 ; 848.26,1039.72 848.26,1049.72 ; 848.26,1039.72 848.26,1049.72 ; 848.26,1089.72 848.26,1099.72 ; 848.26,1089.72 848.26,1099.72 ; 848.26,1139.72 848.26,1149.72 ; 848.26,1139.72 848.26,1149.72 ; 848.26,1189.72 848.26,1199.72 ; 848.26,1189.72 848.26,1199.72
L0TX_P: J1.96 J2.96 | length 1475.3
  Top Layer w5: J1.96@809.05,138.15 809.05,232.79 821.26,245 821.26,962.5 ; J2.96@809.05,1577.52 809.05,1449.49 807.77,1448.21 804.26,1444.69 804.26,1379.75 807.77,1376.24 841.26,1342.75 841.26,1304.72 821.26,1284.72 821.26,1199.72 821.26,1174.72 821.26,1149.72 821.26,1124.72 821.26,1099.72 821.26,1049.72 821.26,999.72 821.26,957.22
L1RX_N: J1.22 J2.22 | length 1683.9
  Bottom Layer w5: J1.22@1124.02,138.15 1124.02,234.05 1110.33,247.74 1110.33,879.72 ; J2.22@1124.02,1321.61 1124.02,1260.67 1110.33,1246.98 1110.33,1219.72 ; 1110.33,879.72 1110.33,882.22 ; 1110.33,879.72 1110.33,882.22 ; 1110.33,882.22 1110.33,899.72 ; 1110.33,882.22 1110.33,899.72 ; 1110.33,899.72 1117.83,907.22 ; 1110.33,899.72 1117.83,907.22 ; 1110.33,939.72 1117.83,932.22 ; 1110.33,939.72 1110.33,949.72 ; 1110.33,939.72 1117.83,932.22 ; 1110.33,939.72 1110.33,949.72 ; 1110.33,949.72 1117.83,957.22 ; 1110.33,949.72 1117.83,957.22 ; 1110.33,989.72 1117.83,982.22 ; 1110.33,989.72 1110.33,999.72 ; 1110.33,989.72 1117.83,982.22 ; 1110.33,989.72 1110.33,999.72 ; 1110.33,999.72 1117.83,1007.22 ; 1110.33,999.72 1117.83,1007.22 ; 1110.33,1039.72 1117.83,1032.22 ; 1110.33,1039.72 1110.33,1049.72 ; 1110.33,1039.72 1117.83,1032.22 ; 1110.33,1039.72 1110.33,1049.72 ; 1110.33,1049.72 1117.83,1057.22 ; 1110.33,1049.72 1117.83,1057.22 ; 1110.33,1089.72 1117.83,1082.22 ; 1110.33,1089.72 1110.33,1099.72 ; 1110.33,1089.72 1117.83,1082.22 ; 1110.33,1089.72 1110.33,1099.72 ; 1110.33,1099.72 1117.83,1107.22 ; 1110.33,1099.72 1117.83,1107.22 ; 1110.33,1139.72 1117.83,1132.22 ; 1110.33,1139.72 1110.33,1149.72 ; 1110.33,1139.72 1117.83,1132.22 ; 1110.33,1139.72 1110.33,1149.72 ; 1110.33,1149.72 1117.83,1157.22 ; 1110.33,1149.72 1117.83,1157.22 ; 1110.33,1189.72 1117.83,1182.22 ; 1110.33,1189.72 1110.33,1207.22 ; 1110.33,1189.72 1117.83,1182.22 ; 1110.33,1189.72 1110.33,1207.22 ; 1110.33,1207.22 1110.33,1219.72 ; 1110.33,1207.22 1110.33,1219.72 ; 1117.83,907.22 1125.33,914.72 ; 1117.83,907.22 1125.33,914.72 ; 1117.83,932.22 1125.33,924.72 ; 1117.83,932.22 1125.33,924.72 ; 1117.83,957.22 1125.33,964.72 ; 1117.83,957.22 1125.33,964.72 ; 1117.83,982.22 1125.33,974.72 ; 1117.83,982.22 1125.33,974.72 ; 1117.83,1007.22 1125.33,1014.72 ; 1117.83,1007.22 1125.33,1014.72 ; 1117.83,1032.22 1125.33,1024.72 ; 1117.83,1032.22 1125.33,1024.72 ; 1117.83,1057.22 1125.33,1064.72 ; 1117.83,1057.22 1125.33,1064.72 ; 1117.83,1082.22 1125.33,1074.72 ; 1117.83,1082.22 1125.33,1074.72 ; 1117.83,1107.22 1125.33,1114.72 ; 1117.83,1107.22 1125.33,1114.72 ; 1117.83,1132.22 1125.33,1124.72 ; 1117.83,1132.22 1125.33,1124.72 ; 1117.83,1157.22 1125.33,1164.72 ; 1117.83,1157.22 1125.33,1164.72 ; 1117.83,1182.22 1125.33,1174.72 ; 1117.83,1182.22 1125.33,1174.72 ; 1125.33,914.72 1125.33,924.72 ; 1125.33,914.72 1125.33,924.72 ; 1125.33,964.72 1125.33,974.72 ; 1125.33,964.72 1125.33,974.72 ; 1125.33,1014.72 1125.33,1024.72 ; 1125.33,1014.72 1125.33,1024.72 ; 1125.33,1064.72 1125.33,1074.72 ; 1125.33,1064.72 1125.33,1074.72 ; 1125.33,1114.72 1125.33,1124.72 ; 1125.33,1114.72 1125.33,1124.72 ; 1125.33,1164.72 1125.33,1174.72 ; 1125.33,1164.72 1125.33,1174.72
L1RX_P: J1.21 J2.21 | length 1278.8
  Bottom Layer w5: J1.21@1084.65,138.15 1084.65,231.57 1098.33,245.26 1098.33,887.5 ; J2.21@1084.65,1400.35 1084.65,1258.15 1098.33,1244.46 1098.33,1219.72 1098.33,1207.22 1098.33,1189.72 1098.33,1174.72 1098.33,1164.72 1098.33,1149.72 1098.33,1139.72 1098.33,1124.72 1098.33,1114.72 1098.33,1099.72 1098.33,1089.72 1098.33,1074.72 1098.33,1064.72 1098.33,1049.72 1098.33,1039.72 1098.33,1024.72 1098.33,1014.72 1098.33,999.72 1098.33,989.72 1098.33,974.72 1098.33,964.72 1098.33,949.72 1098.33,939.72 1098.33,924.72 1098.33,914.72 1098.33,899.72 1098.33,882.22
L1TX_N: J1.102 J2.102 | length 1475.3
  Top Layer w5: 1033.07,957.22 1033.07,999.72 1033.07,1049.72 1033.07,1099.72 1033.07,1124.72 1033.07,1149.72 1033.07,1174.72 1033.07,1199.72 1033.07,1284.72 1013.07,1304.72 1013.07,1342.75 1046.56,1376.24 1050.07,1379.75 1050.07,1444.69 1046.56,1448.21 1045.28,1449.49 J2.102@1045.28,1577.52 ; 1033.07,962.5 1033.07,245 1045.28,232.79 J1.102@1045.28,138.15
L1TX_P: J1.101 J2.101 | length 1813.1
  Top Layer w5: J1.101@1005.91,138.15 1005.91,232.83 1021.07,248 1021.07,934.72 ; J2.101@1005.91,1498.78 1005.91,1471.89 1038.07,1439.72 1038.07,1384.72 1001.07,1347.72 1001.07,1299.75 1021.07,1279.75 1021.07,1219.72 ; 1006.07,989.72 1013.57,982.22 ; 1006.07,989.72 1006.07,999.72 ; 1006.07,989.72 1013.57,982.22 ; 1006.07,989.72 1006.07,999.72 ; 1006.07,999.72 1013.57,1007.22 ; 1006.07,999.72 1013.57,1007.22 ; 1006.07,1039.72 1013.57,1032.22 ; 1006.07,1039.72 1006.07,1049.72 ; 1006.07,1039.72 1013.57,1032.22 ; 1006.07,1039.72 1006.07,1049.72 ; 1006.07,1049.72 1013.57,1057.22 ; 1006.07,1049.72 1013.57,1057.22 ; 1006.07,1089.72 1013.57,1082.22 ; 1006.07,1089.72 1006.07,1099.72 ; 1006.07,1089.72 1013.57,1082.22 ; 1006.07,1089.72 1006.07,1099.72 ; 1006.07,1099.72 1013.57,1107.22 ; 1006.07,1099.72 1013.57,1107.22 ; 1006.07,1139.72 1013.57,1132.22 ; 1006.07,1139.72 1006.07,1149.72 ; 1006.07,1139.72 1013.57,1132.22 ; 1006.07,1139.72 1006.07,1149.72 ; 1006.07,1149.72 1013.57,1157.22 ; 1006.07,1149.72 1013.57,1157.22 ; 1006.07,1189.72 1013.57,1182.22 ; 1006.07,1189.72 1006.07,1199.72 ; 1006.07,1189.72 1013.57,1182.22 ; 1006.07,1189.72 1006.07,1199.72 ; 1006.07,1199.72 1013.57,1207.22 ; 1006.07,1199.72 1013.57,1207.22 ; 1013.57,982.22 1021.07,974.72 ; 1013.57,982.22 1021.07,974.72 ; 1013.57,1007.22 1021.07,1014.72 ; 1013.57,1007.22 1021.07,1014.72 ; 1013.57,1032.22 1021.07,1024.72 ; 1013.57,1032.22 1021.07,1024.72 ; 1013.57,1057.22 1021.07,1064.72 ; 1013.57,1057.22 1021.07,1064.72 ; 1013.57,1082.22 1021.07,1074.72 ; 1013.57,1082.22 1021.07,1074.72 ; 1013.57,1107.22 1021.07,1114.72 ; 1013.57,1107.22 1021.07,1114.72 ; 1013.57,1132.22 1021.07,1124.72 ; 1013.57,1132.22 1021.07,1124.72 ; 1013.57,1157.22 1021.07,1164.72 ; 1013.57,1157.22 1021.07,1164.72 ; 1013.57,1182.22 1021.07,1174.72 ; 1013.57,1182.22 1021.07,1174.72 ; 1013.57,1207.22 1021.07,1214.72 ; 1013.57,1207.22 1021.07,1214.72 ; 1021.07,934.72 1021.07,957.22 ; 1021.07,934.72 1021.07,957.22 ; 1021.07,957.22 1021.07,974.72 ; 1021.07,957.22 1021.07,974.72 ; 1021.07,1014.72 1021.07,1024.72 ; 1021.07,1014.72 1021.07,1024.72 ; 1021.07,1064.72 1021.07,1074.72 ; 1021.07,1064.72 1021.07,1074.72 ; 1021.07,1114.72 1021.07,1124.72 ; 1021.07,1114.72 1021.07,1124.72 ; 1021.07,1164.72 1021.07,1174.72 ; 1021.07,1164.72 1021.07,1174.72 ; 1021.07,1214.72 1021.07,1219.72 ; 1021.07,1214.72 1021.07,1219.72
L2RX_N: J1.26 J2.26 | length 1683.9
  Bottom Layer w5: J1.26@1281.5,138.15 1281.5,234.05 1267.81,247.74 1267.81,879.72 ; J2.26@1281.5,1321.61 1281.5,1260.67 1267.81,1246.98 1267.81,1219.72 ; 1267.81,879.72 1267.81,882.22 ; 1267.81,879.72 1267.81,882.22 ; 1267.81,882.22 1267.81,899.72 ; 1267.81,882.22 1267.81,899.72 ; 1267.81,899.72 1275.31,907.22 ; 1267.81,899.72 1275.31,907.22 ; 1267.81,939.72 1275.31,932.22 ; 1267.81,939.72 1267.81,949.72 ; 1267.81,939.72 1275.31,932.22 ; 1267.81,939.72 1267.81,949.72 ; 1267.81,949.72 1275.31,957.22 ; 1267.81,949.72 1275.31,957.22 ; 1267.81,989.72 1275.31,982.22 ; 1267.81,989.72 1267.81,999.72 ; 1267.81,989.72 1275.31,982.22 ; 1267.81,989.72 1267.81,999.72 ; 1267.81,999.72 1275.31,1007.22 ; 1267.81,999.72 1275.31,1007.22 ; 1267.81,1039.72 1275.31,1032.22 ; 1267.81,1039.72 1267.81,1049.72 ; 1267.81,1039.72 1275.31,1032.22 ; 1267.81,1039.72 1267.81,1049.72 ; 1267.81,1049.72 1275.31,1057.22 ; 1267.81,1049.72 1275.31,1057.22 ; 1267.81,1089.72 1275.31,1082.22 ; 1267.81,1089.72 1267.81,1099.72 ; 1267.81,1089.72 1275.31,1082.22 ; 1267.81,1089.72 1267.81,1099.72 ; 1267.81,1099.72 1275.31,1107.22 ; 1267.81,1099.72 1275.31,1107.22 ; 1267.81,1139.72 1275.31,1132.22 ; 1267.81,1139.72 1267.81,1149.72 ; 1267.81,1139.72 1275.31,1132.22 ; 1267.81,1139.72 1267.81,1149.72 ; 1267.81,1149.72 1275.31,1157.22 ; 1267.81,1149.72 1275.31,1157.22 ; 1267.81,1189.72 1275.31,1182.22 ; 1267.81,1189.72 1267.81,1207.22 ; 1267.81,1189.72 1275.31,1182.22 ; 1267.81,1189.72 1267.81,1207.22 ; 1267.81,1207.22 1267.81,1219.72 ; 1267.81,1207.22 1267.81,1219.72 ; 1275.31,907.22 1282.81,914.72 ; 1275.31,907.22 1282.81,914.72 ; 1275.31,932.22 1282.81,924.72 ; 1275.31,932.22 1282.81,924.72 ; 1275.31,957.22 1282.81,964.72 ; 1275.31,957.22 1282.81,964.72 ; 1275.31,982.22 1282.81,974.72 ; 1275.31,982.22 1282.81,974.72 ; 1275.31,1007.22 1282.81,1014.72 ; 1275.31,1007.22 1282.81,1014.72 ; 1275.31,1032.22 1282.81,1024.72 ; 1275.31,1032.22 1282.81,1024.72 ; 1275.31,1057.22 1282.81,1064.72 ; 1275.31,1057.22 1282.81,1064.72 ; 1275.31,1082.22 1282.81,1074.72 ; 1275.31,1082.22 1282.81,1074.72 ; 1275.31,1107.22 1282.81,1114.72 ; 1275.31,1107.22 1282.81,1114.72 ; 1275.31,1132.22 1282.81,1124.72 ; 1275.31,1132.22 1282.81,1124.72 ; 1275.31,1157.22 1282.81,1164.72 ; 1275.31,1157.22 1282.81,1164.72 ; 1275.31,1182.22 1282.81,1174.72 ; 1275.31,1182.22 1282.81,1174.72 ; 1282.81,914.72 1282.81,924.72 ; 1282.81,914.72 1282.81,924.72 ; 1282.81,964.72 1282.81,974.72 ; 1282.81,964.72 1282.81,974.72 ; 1282.81,1014.72 1282.81,1024.72 ; 1282.81,1014.72 1282.81,1024.72 ; 1282.81,1064.72 1282.81,1074.72 ; 1282.81,1064.72 1282.81,1074.72 ; 1282.81,1114.72 1282.81,1124.72 ; 1282.81,1114.72 1282.81,1124.72 ; 1282.81,1164.72 1282.81,1174.72 ; 1282.81,1164.72 1282.81,1174.72
L2RX_P: J1.25 J2.25 | length 1278.8
  Bottom Layer w5: J1.25@1242.13,138.15 1242.13,231.57 1255.81,245.26 1255.81,887.5 ; J2.25@1242.13,1400.35 1242.13,1258.15 1255.81,1244.46 1255.81,1219.72 1255.81,1207.22 1255.81,1189.72 1255.81,1174.72 1255.81,1164.72 1255.81,1149.72 1255.81,1139.72 1255.81,1124.72 1255.81,1114.72 1255.81,1099.72 1255.81,1089.72 1255.81,1074.72 1255.81,1064.72 1255.81,1049.72 1255.81,1039.72 1255.81,1024.72 1255.81,1014.72 1255.81,999.72 1255.81,989.72 1255.81,974.72 1255.81,964.72 1255.81,949.72 1255.81,939.72 1255.81,924.72 1255.81,914.72 1255.81,899.72 1255.81,882.22
L2TX_N: J1.106 J2.106 | length 1475.3
  Top Layer w5: 1190.55,957.22 1190.55,999.72 1190.55,1049.72 1190.55,1099.72 1190.55,1124.72 1190.55,1149.72 1190.55,1174.72 1190.55,1199.72 1190.55,1284.72 1170.55,1304.72 1170.55,1342.75 1204.04,1376.24 1207.55,1379.75 1207.55,1444.69 1204.04,1448.21 1202.76,1449.49 J2.106@1202.76,1577.52 ; 1190.55,962.5 1190.55,245 1202.76,232.79 J1.106@1202.76,138.15
L2TX_P: J1.105 J2.105 | length 1813.1
  Top Layer w5: J1.105@1163.39,138.15 1163.39,232.83 1178.55,248 1178.55,934.72 ; J2.105@1163.39,1498.78 1163.39,1471.89 1195.55,1439.72 1195.55,1384.72 1158.55,1347.72 1158.55,1299.75 1178.55,1279.75 1178.55,1219.72 ; 1163.55,989.72 1171.05,982.22 ; 1163.55,989.72 1163.55,999.72 ; 1163.55,989.72 1171.05,982.22 ; 1163.55,989.72 1163.55,999.72 ; 1163.55,999.72 1171.05,1007.22 ; 1163.55,999.72 1171.05,1007.22 ; 1163.55,1039.72 1171.05,1032.22 ; 1163.55,1039.72 1163.55,1049.72 ; 1163.55,1039.72 1171.05,1032.22 ; 1163.55,1039.72 1163.55,1049.72 ; 1163.55,1049.72 1171.05,1057.22 ; 1163.55,1049.72 1171.05,1057.22 ; 1163.55,1089.72 1171.05,1082.22 ; 1163.55,1089.72 1163.55,1099.72 ; 1163.55,1089.72 1171.05,1082.22 ; 1163.55,1089.72 1163.55,1099.72 ; 1163.55,1099.72 1171.05,1107.22 ; 1163.55,1099.72 1171.05,1107.22 ; 1163.55,1139.72 1171.05,1132.22 ; 1163.55,1139.72 1163.55,1149.72 ; 1163.55,1139.72 1171.05,1132.22 ; 1163.55,1139.72 1163.55,1149.72 ; 1163.55,1149.72 1171.05,1157.22 ; 1163.55,1149.72 1171.05,1157.22 ; 1163.55,1189.72 1171.05,1182.22 ; 1163.55,1189.72 1163.55,1199.72 ; 1163.55,1189.72 1171.05,1182.22 ; 1163.55,1189.72 1163.55,1199.72 ; 1163.55,1199.72 1171.05,1207.22 ; 1163.55,1199.72 1171.05,1207.22 ; 1171.05,982.22 1178.55,974.72 ; 1171.05,982.22 1178.55,974.72 ; 1171.05,1007.22 1178.55,1014.72 ; 1171.05,1007.22 1178.55,1014.72 ; 1171.05,1032.22 1178.55,1024.72 ; 1171.05,1032.22 1178.55,1024.72 ; 1171.05,1057.22 1178.55,1064.72 ; 1171.05,1057.22 1178.55,1064.72 ; 1171.05,1082.22 1178.55,1074.72 ; 1171.05,1082.22 1178.55,1074.72 ; 1171.05,1107.22 1178.55,1114.72 ; 1171.05,1107.22 1178.55,1114.72 ; 1171.05,1132.22 1178.55,1124.72 ; 1171.05,1132.22 1178.55,1124.72 ; 1171.05,1157.22 1178.55,1164.72 ; 1171.05,1157.22 1178.55,1164.72 ; 1171.05,1182.22 1178.55,1174.72 ; 1171.05,1182.22 1178.55,1174.72 ; 1171.05,1207.22 1178.55,1214.72 ; 1171.05,1207.22 1178.55,1214.72 ; 1178.55,934.72 1178.55,957.22 ; 1178.55,934.72 1178.55,957.22 ; 1178.55,957.22 1178.55,974.72 ; 1178.55,957.22 1178.55,974.72 ; 1178.55,1014.72 1178.55,1024.72 ; 1178.55,1014.72 1178.55,1024.72 ; 1178.55,1064.72 1178.55,1074.72 ; 1178.55,1064.72 1178.55,1074.72 ; 1178.55,1114.72 1178.55,1124.72 ; 1178.55,1114.72 1178.55,1124.72 ; 1178.55,1164.72 1178.55,1174.72 ; 1178.55,1164.72 1178.55,1174.72 ; 1178.55,1214.72 1178.55,1219.72 ; 1178.55,1214.72 1178.55,1219.72
L3RX_N: J1.30 J2.30 | length 1683.9
  Bottom Layer w5: J1.30@1438.98,138.15 1438.98,234.05 1425.29,247.74 1425.29,879.72 ; J2.30@1438.98,1321.61 1438.98,1260.67 1425.29,1246.98 1425.29,1219.72 ; 1425.29,879.72 1425.29,882.22 ; 1425.29,879.72 1425.29,882.22 ; 1425.29,882.22 1425.29,899.72 ; 1425.29,882.22 1425.29,899.72 ; 1425.29,899.72 1432.79,907.22 ; 1425.29,899.72 1432.79,907.22 ; 1425.29,939.72 1432.79,932.22 ; 1425.29,939.72 1425.29,949.72 ; 1425.29,939.72 1432.79,932.22 ; 1425.29,939.72 1425.29,949.72 ; 1425.29,949.72 1432.79,957.22 ; 1425.29,949.72 1432.79,957.22 ; 1425.29,989.72 1432.79,982.22 ; 1425.29,989.72 1425.29,999.72 ; 1425.29,989.72 1432.79,982.22 ; 1425.29,989.72 1425.29,999.72 ; 1425.29,999.72 1432.79,1007.22 ; 1425.29,999.72 1432.79,1007.22 ; 1425.29,1039.72 1432.79,1032.22 ; 1425.29,1039.72 1425.29,1049.72 ; 1425.29,1039.72 1432.79,1032.22 ; 1425.29,1039.72 1425.29,1049.72 ; 1425.29,1049.72 1432.79,1057.22 ; 1425.29,1049.72 1432.79,1057.22 ; 1425.29,1089.72 1432.79,1082.22 ; 1425.29,1089.72 1425.29,1099.72 ; 1425.29,1089.72 1432.79,1082.22 ; 1425.29,1089.72 1425.29,1099.72 ; 1425.29,1099.72 1432.79,1107.22 ; 1425.29,1099.72 1432.79,1107.22 ; 1425.29,1139.72 1432.79,1132.22 ; 1425.29,1139.72 1425.29,1149.72 ; 1425.29,1139.72 1432.79,1132.22 ; 1425.29,1139.72 1425.29,1149.72 ; 1425.29,1149.72 1432.79,1157.22 ; 1425.29,1149.72 1432.79,1157.22 ; 1425.29,1189.72 1432.79,1182.22 ; 1425.29,1189.72 1425.29,1207.22 ; 1425.29,1189.72 1432.79,1182.22 ; 1425.29,1189.72 1425.29,1207.22 ; 1425.29,1207.22 1425.29,1219.72 ; 1425.29,1207.22 1425.29,1219.72 ; 1432.79,907.22 1440.29,914.72 ; 1432.79,907.22 1440.29,914.72 ; 1432.79,932.22 1440.29,924.72 ; 1432.79,932.22 1440.29,924.72 ; 1432.79,957.22 1440.29,964.72 ; 1432.79,957.22 1440.29,964.72 ; 1432.79,982.22 1440.29,974.72 ; 1432.79,982.22 1440.29,974.72 ; 1432.79,1007.22 1440.29,1014.72 ; 1432.79,1007.22 1440.29,1014.72 ; 1432.79,1032.22 1440.29,1024.72 ; 1432.79,1032.22 1440.29,1024.72 ; 1432.79,1057.22 1440.29,1064.72 ; 1432.79,1057.22 1440.29,1064.72 ; 1432.79,1082.22 1440.29,1074.72 ; 1432.79,1082.22 1440.29,1074.72 ; 1432.79,1107.22 1440.29,1114.72 ; 1432.79,1107.22 1440.29,1114.72 ; 1432.79,1132.22 1440.29,1124.72 ; 1432.79,1132.22 1440.29,1124.72 ; 1432.79,1157.22 1440.29,1164.72 ; 1432.79,1157.22 1440.29,1164.72 ; 1432.79,1182.22 1440.29,1174.72 ; 1432.79,1182.22 1440.29,1174.72 ; 1440.29,914.72 1440.29,924.72 ; 1440.29,914.72 1440.29,924.72 ; 1440.29,964.72 1440.29,974.72 ; 1440.29,964.72 1440.29,974.72 ; 1440.29,1014.72 1440.29,1024.72 ; 1440.29,1014.72 1440.29,1024.72 ; 1440.29,1064.72 1440.29,1074.72 ; 1440.29,1064.72 1440.29,1074.72 ; 1440.29,1114.72 1440.29,1124.72 ; 1440.29,1114.72 1440.29,1124.72 ; 1440.29,1164.72 1440.29,1174.72 ; 1440.29,1164.72 1440.29,1174.72
L3RX_P: J1.29 J2.29 | length 1278.8
  Bottom Layer w5: J1.29@1399.61,138.15 1399.61,231.57 1413.29,245.26 1413.29,887.5 ; J2.29@1399.61,1400.35 1399.61,1258.15 1413.29,1244.46 1413.29,1219.72 1413.29,1207.22 1413.29,1189.72 1413.29,1174.72 1413.29,1164.72 1413.29,1149.72 1413.29,1139.72 1413.29,1124.72 1413.29,1114.72 1413.29,1099.72 1413.29,1089.72 1413.29,1074.72 1413.29,1064.72 1413.29,1049.72 1413.29,1039.72 1413.29,1024.72 1413.29,1014.72 1413.29,999.72 1413.29,989.72 1413.29,974.72 1413.29,964.72 1413.29,949.72 1413.29,939.72 1413.29,924.72 1413.29,914.72 1413.29,899.72 1413.29,882.22
L3TX_N: J1.110 J2.110 | length 1475.3
  Top Layer w5: 1348.03,957.22 1348.03,999.72 1348.03,1049.72 1348.03,1099.72 1348.03,1124.72 1348.03,1149.72 1348.03,1174.72 1348.03,1199.72 1348.03,1284.72 1328.03,1304.72 1328.03,1342.75 1361.52,1376.24 1365.03,1379.75 1365.03,1444.69 1361.52,1448.21 1360.24,1449.49 J2.110@1360.24,1577.52 ; 1348.03,962.5 1348.03,245 1360.24,232.79 J1.110@1360.24,138.15